# KiCad board obverse.kicad_pcb
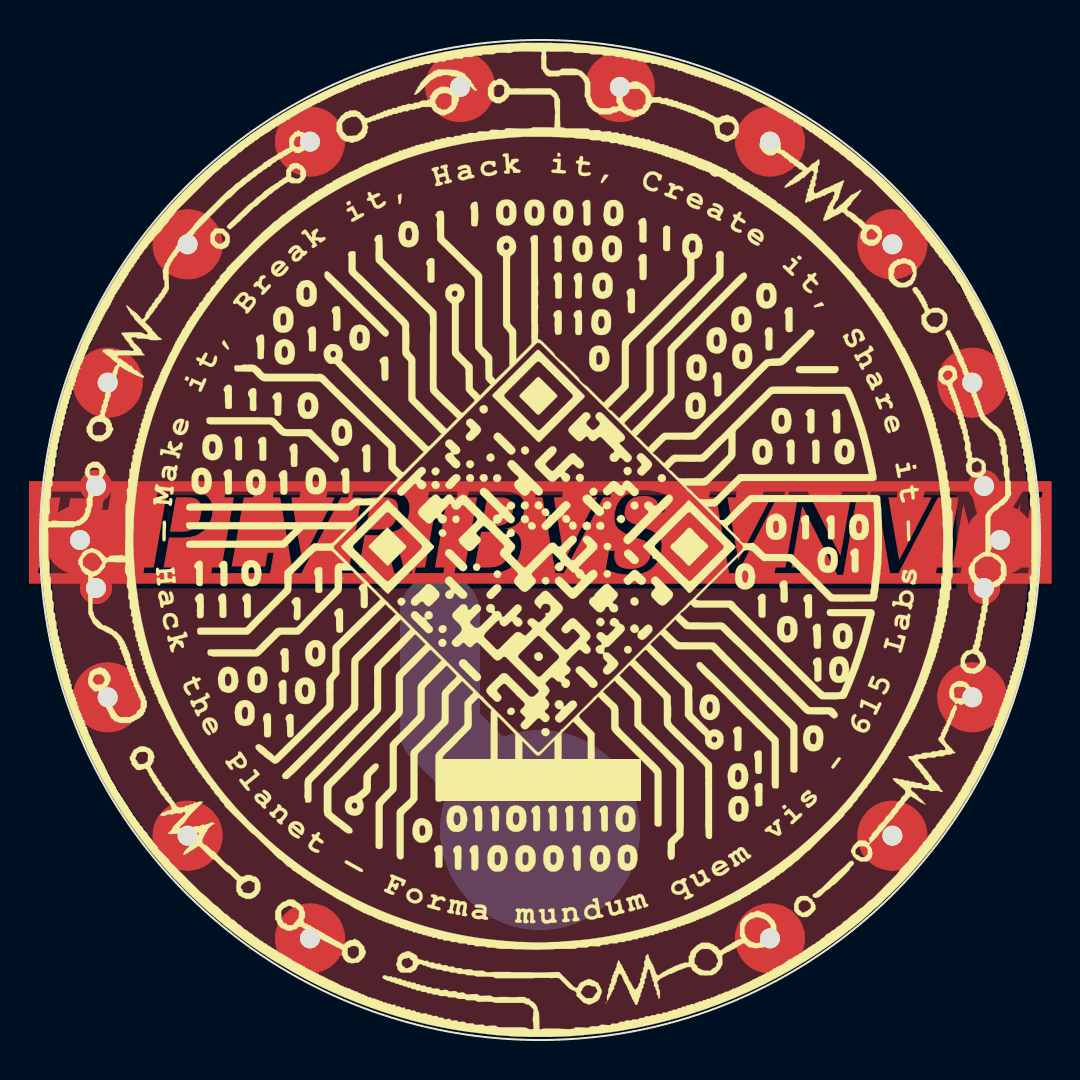
[diagram p0: board, top side]
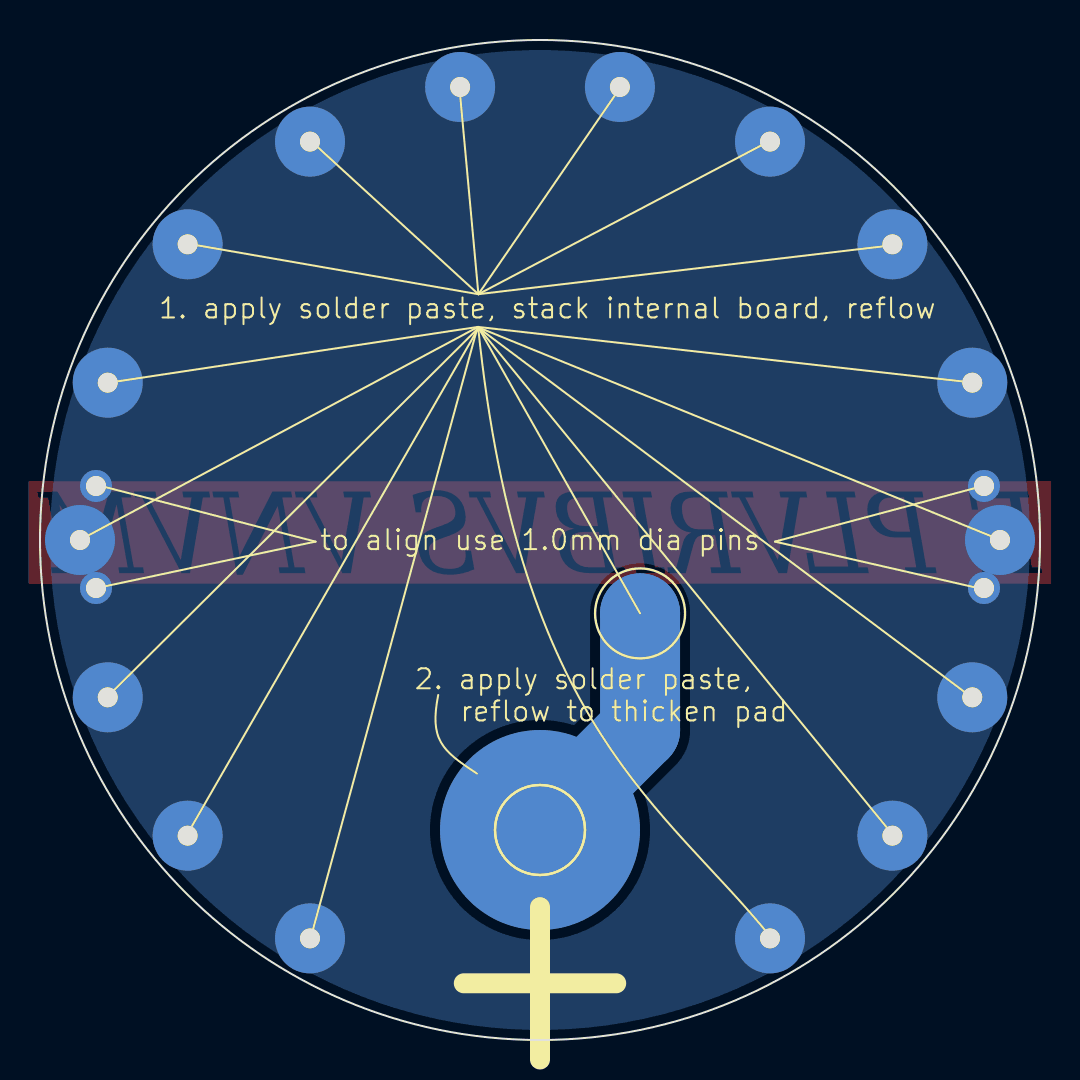
[diagram p1: board, bottom side, seen from below]

Outline 50 x 50 mm; copper layers: Top, Bottom. Coordinates in mm from the lower left corner of the outline.
Outline path: circle c25,25 r25

## Placement (name value [footprint] x y rotation side)
+  BAT+  [TestPoint_Pad_D4.0mm#2]  25 10.5 180 bottom  (not fitted)
align-o1  -  [unnamed]  2.8 27.7 0 top  (not fitted)
align-o2  -  [unnamed]  47.2 27.7 0 top  (not fitted)
align-o3  -  [unnamed]  2.8 22.6 0 top  (not fitted)
align-o4  -  [unnamed]  47.2 22.6 0 top  (not fitted)
aperture-D1  -  [TestPoint_THTPad_D1.0mm_Drill0.5mm]  13.5 5.08 0 top  (not fitted)
aperture-D2  -  [TestPoint_THTPad_D1.0mm_Drill0.5mm]  7.38 10.22 0 top  (not fitted)
aperture-D3  -  [TestPoint_THTPad_D1.0mm_Drill0.5mm]  3.39 17.13 0 top  (not fitted)
aperture-D4  -  [TestPoint_THTPad_D1.0mm_Drill0.5mm]  2 25 0 top  (not fitted)
aperture-D5  -  [TestPoint_THTPad_D1.0mm_Drill0.5mm]  3.39 32.87 0 top  (not fitted)
aperture-D6  -  [TestPoint_THTPad_D1.0mm_Drill0.5mm]  7.38 39.78 0 top  (not fitted)
aperture-D7  -  [TestPoint_THTPad_D1.0mm_Drill0.5mm]  13.5 44.92 0 top  (not fitted)
aperture-D8  -  [TestPoint_THTPad_D1.0mm_Drill0.5mm]  21.01 47.65 0 top  (not fitted)
aperture-D9  -  [TestPoint_THTPad_D1.0mm_Drill0.5mm]  28.99 47.65 0 top  (not fitted)
aperture-D10  -  [TestPoint_THTPad_D1.0mm_Drill0.5mm]  36.5 44.92 0 top  (not fitted)
aperture-D11  -  [TestPoint_THTPad_D1.0mm_Drill0.5mm]  42.62 39.78 0 top  (not fitted)
aperture-D12  -  [TestPoint_THTPad_D1.0mm_Drill0.5mm]  46.61 32.87 0 top  (not fitted)
aperture-D13  -  [TestPoint_THTPad_D1.0mm_Drill0.5mm]  48 25 0 top  (not fitted)
aperture-D14  -  [TestPoint_THTPad_D1.0mm_Drill0.5mm]  46.61 17.13 0 top  (not fitted)
aperture-D15  -  [TestPoint_THTPad_D1.0mm_Drill0.5mm]  42.62 10.22 0 top  (not fitted)
aperture-D16  -  [TestPoint_THTPad_D1.0mm_Drill0.5mm]  36.5 5.08 0 top  (not fitted)
B2  BAT+  [TestPoint_Pad_D4.0mm]  25 10.5 180 bottom  (not fitted)
contact-o1  -  [TestPoint_Pad_D4.0mm]  20 21.33 180 bottom  (not fitted)

## Library data of the parts
+ B2 = -: Description: test point; ki_fp_filters: Pin* Test*

## Footprints (pads in the part's own frame, mm; a bottom-side part is the same pattern mirrored in y, then rotated)
TestPoint_Pad_D4.0mm
  round 4 smd: 1(0,0)
TestPoint_Pad_D4.0mm#2
  round 10 smd: 1(0,0)
TestPoint_THTPad_D1.0mm_Drill0.5mm
  round 3.5 hole 1: 1(0,0)
unnamed
  round 1.6 hole 1: 1(0,0)

## Nets
+3V0: +.1 B2.1 contact-o1.1
GND: align-o1.1 align-o2.1 align-o3.1 align-o4.1 aperture-D1.1 aperture-D2.1 aperture-D3.1 aperture-D4.1 aperture-D5.1 aperture-D6.1 aperture-D7.1 aperture-D8.1 aperture-D9.1 aperture-D10.1 aperture-D11.1 aperture-D12.1 aperture-D13.1 aperture-D14.1 aperture-D15.1 aperture-D16.1

## Routing (per net, layer and track width the routed paths; a pad name or vN(x,y) marks a point on that pad's centre or on a via; arc(x,y) is an arc through that point)
+3V0: length 12.9
  Bottom w4: +.1 20,15.5 contact-o1.1

## Copper pours and planes (outline as drawn; the poured copper is in the pictures)
GND on Top, Bottom: -5.79,54.46 54.93,53.76 54.9,-3.1 -4.8,-3.3 -5.6,-3.3

## Text on the board
B.Silkscreen: 2. apply solder paste, / reflow to thicken pad | 1. apply solder paste, stack internal board, reflow | to align use 1.0mm dia pins
Top: E PLVRIBVS VNVM
